# KiCad board PC110.kicad_pcb (continued)
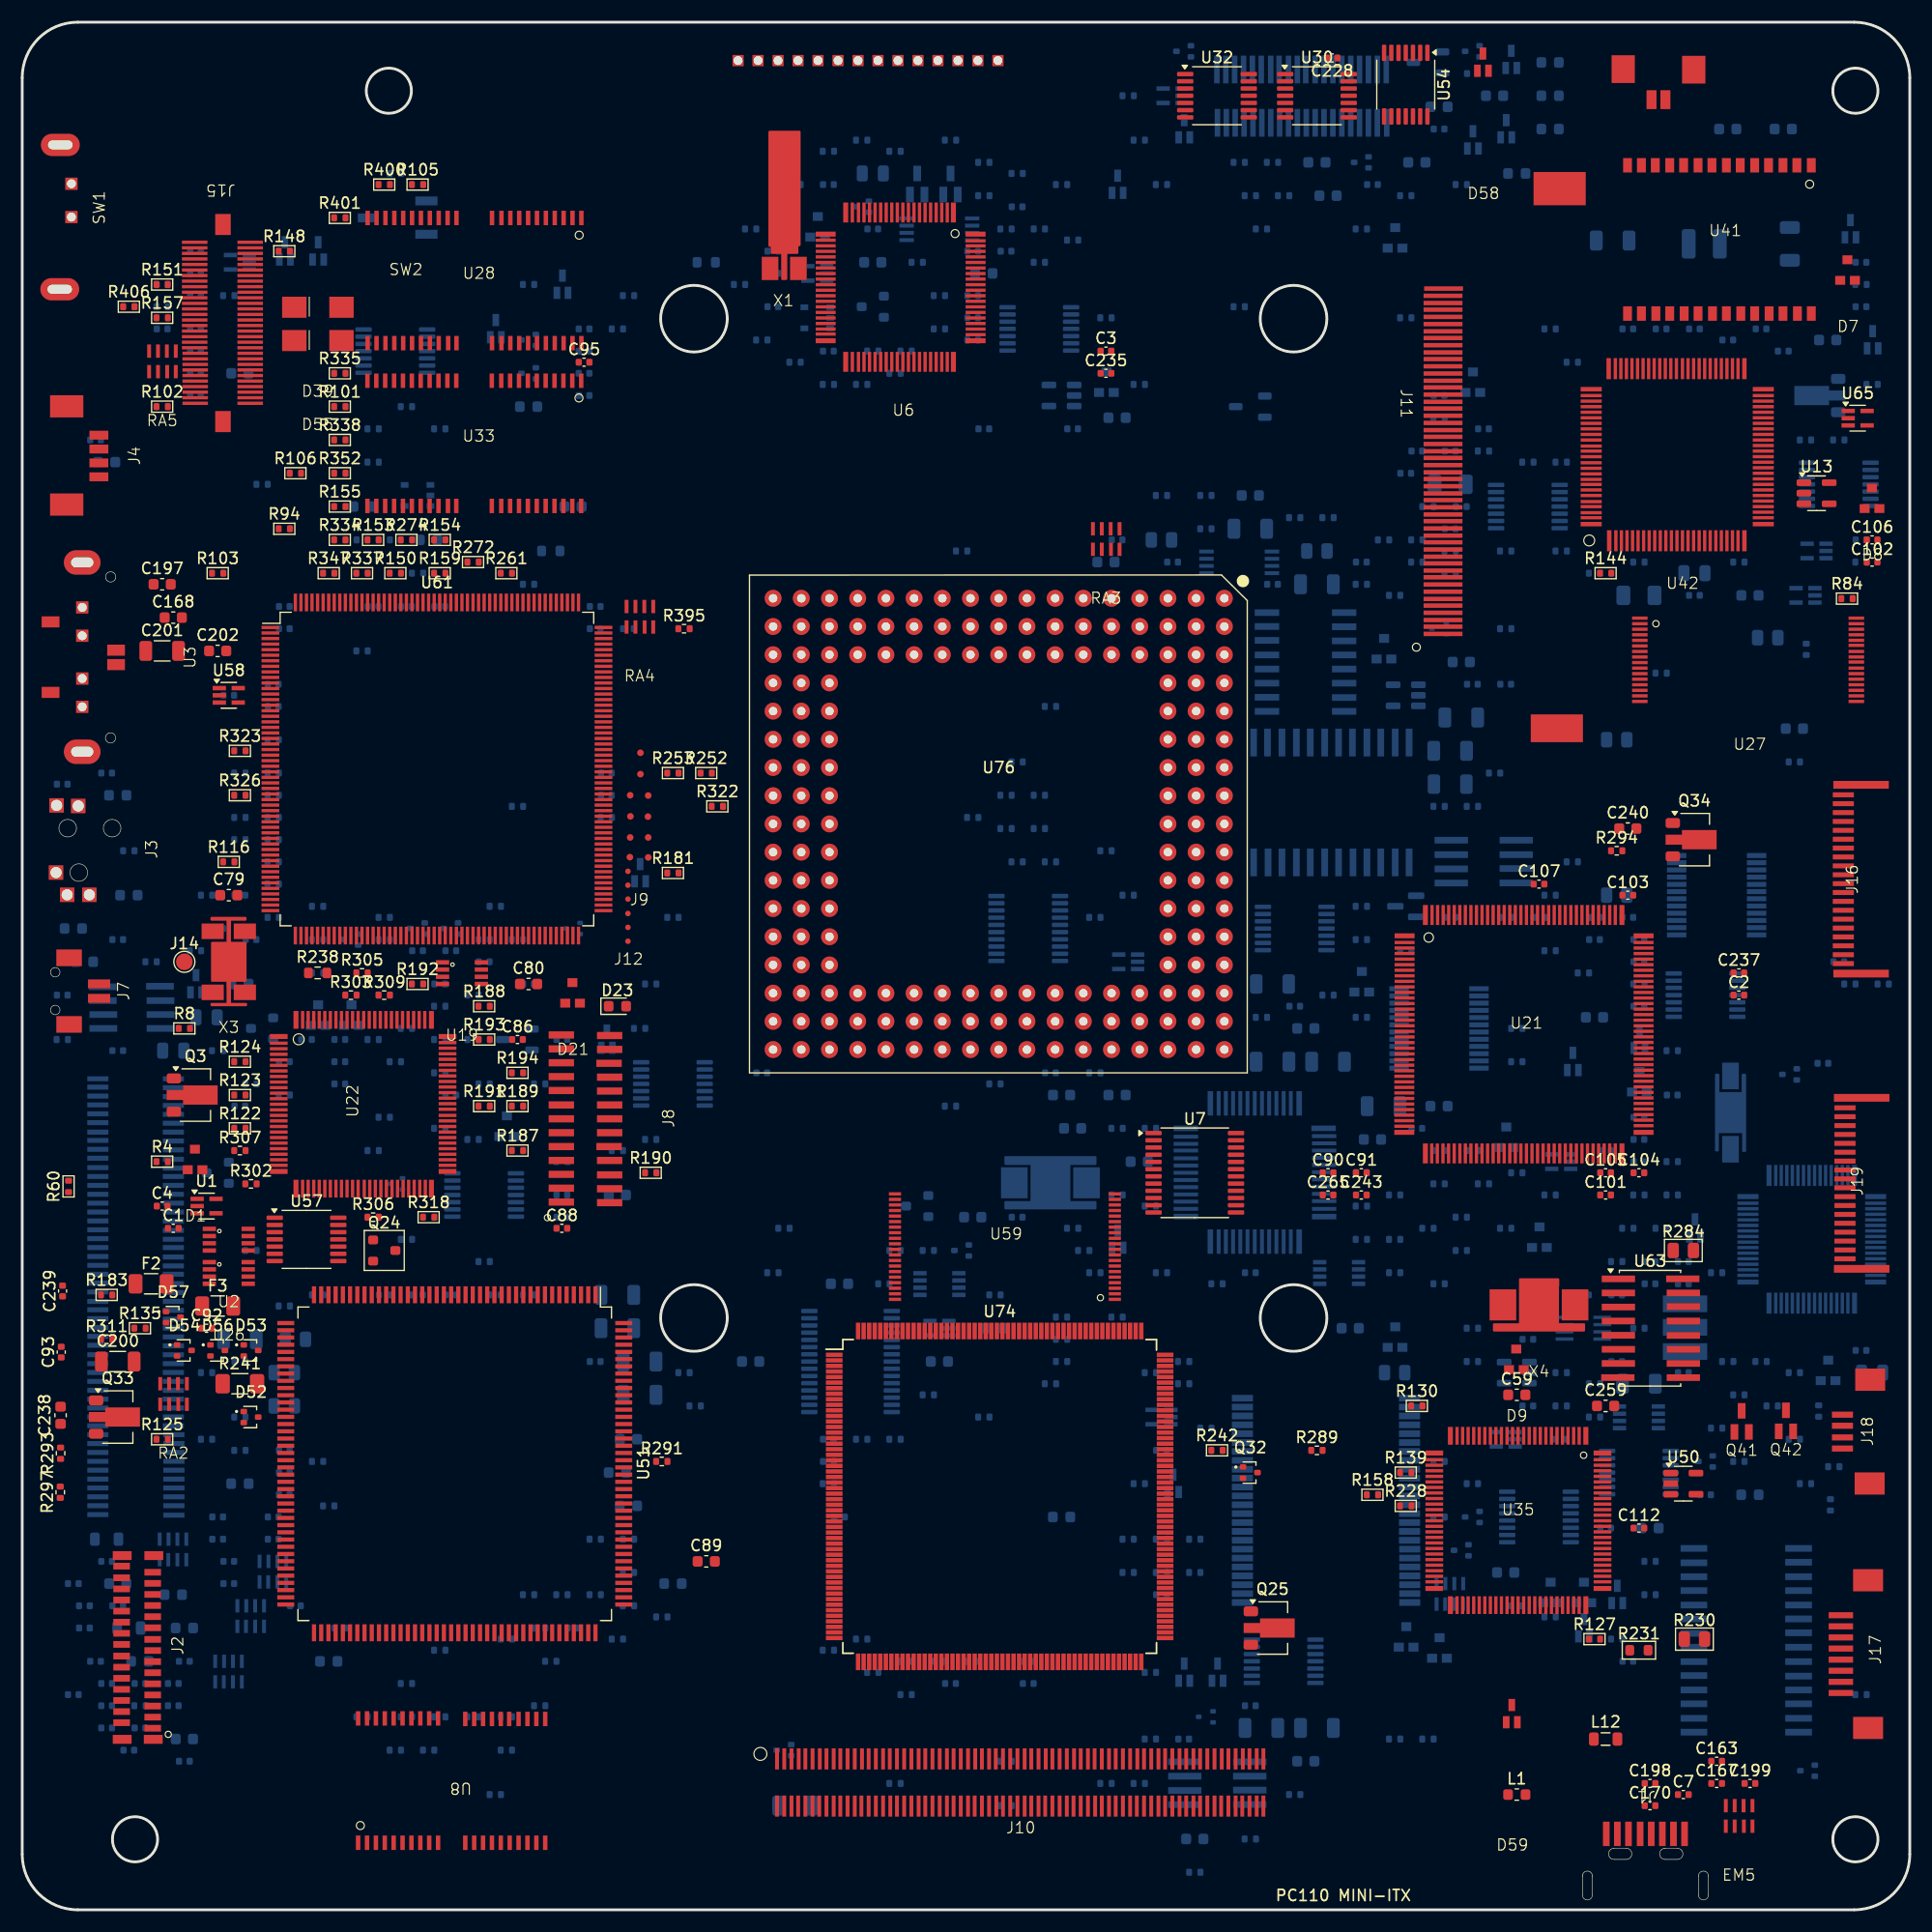
[diagram p0: board, top side]
## Library data of the parts (continued)
C6 C8 C9 C14 C16 C19 C27 C28 C35 C44 C50 C52-C63 C66 C68-C71 C74 C76 C78-C80 C82 C94 C96-C100 C102-C107 C111 C112 C114-C117 C119 C121-C123 C125 C127 C128 C130-C134 C137-C146 C148 C149 C151-C153 C155 C157-C159 C161 C164 C165 C203-C205 C208 C209 C211-C217 C219 C220 C223 C231 C236 C241 C244 C247 C248 C250-C253 C255 C262 C263 C266 C267 C269 C271 C274-C277 C280 = -: ki_fp_filters: C_*
C270 R1-R69 R71-R413 = -: ki_fp_filters: R_*
D6 D7 D23 D36 D38 D39 D41 D44 D47 D48 D50 D51 D55 = -: ki_fp_filters: TO-???* *_Diode_* *SingleDiode* D_*
D52-D54 D56 D57 = -: ki_fp_filters: SOT?323*
F1-F4 = -: ki_fp_filters: *Fuse*
J2 J4 J6 J7 J16-J19 U43 = -: ki_fp_filters: Connector*:*_1x??_*
J3 = -: ki_fp_filters: Jack*
J5 = -: ki_fp_filters: Connector*:*_2x??_*
L1 L4 L12 = -: ki_fp_filters: Choke_* *Coil* Inductor_* L_*
Q2 Q7 Q9-Q14 Q18 Q19 Q26 Q27 Q35 Q38 Q43 Q44 U29 = -: ki_fp_filters: SOT?23*
Q3 = -: ki_fp_filters: TO?92*
Q24 Q31 = -: ki_fp_filters: SOT?23* SC?59*
Q29 = -: ki_fp_filters: SOT* SC*
R70 = -: Description: External clock input for Audio Drive; ki_fp_filters: R_*
RA1-RA5 = -: ki_fp_filters: DIP* SOIC* R*Array*Concave* R*Array*Convex* MSOP*
U1 U14 U15 U23 U52 U58 = -: ki_fp_filters: SOT?23* SOT?553*
U2 U20 U26 U38 U39 = -: ki_fp_filters: SSOP* VSSOP*
U5 U18 U30 U32 U34 U40 U68 = -: ki_fp_filters: DIP*W7.62mm*
U9 U25 U37 U65 = -: ki_fp_filters: SOT* SG-*
U11 U44 = -: ki_fp_filters: SOIC*3.9x4.9mm*P1.27mm* DIP*W7.62mm* TO*99* OnSemi*Micro8* TSSOP*3x3mm*P0.65mm* TSSOP*4.4x3mm*P0.65mm* MSOP*3x3mm*P0.65mm* SSOP*3.9x4.9mm*P0.635mm* LFCSP*2x2mm*P0.5mm* *SIP* SOIC*5.3x6.2mm*P1.27mm*
U12 = -: Datasheet: https://github.com/ahmadexp/Open-Source-PC110/blob/main/datasheets/top/6-LM4861.pdf; Description: Audio Amp; ki_fp_filters: MSOP*3x3mm*P0.65mm* SOIC*3.9x4.9mm*P1.27mm*
U19 = -: ki_fp_filters: VSSOP*
U24 U60 = -: ki_fp_filters: SOT?23* Texas?R-PDSO-G5?DCK* Texas?R-PDSO-N5?DRL* Texas?X2SON*0.8x0.8mm*P0.48mm*
U45 = -: ki_fp_filters: DIP?16*
U47 = -: ki_fp_filters: SOIC*3.9x4.9mm*P1.27mm* DIP*W7.62mm* MSOP*3x3mm*P0.65mm* SSOP*2.95x2.8mm*P0.65mm* TSSOP*3x3mm*P0.65mm* VSSOP*P0.5mm* TO?99*
U48 = -: Description: Digital Rheostat
U49 U72 = -: Datasheet: https://github.com/ahmadexp/PC110-Mainboard-Schematic/blob/main/datasheets/bottom/8-HD151015.pdf; Description: 9 bit Level Shifter/Transceiver With 3 State Outputs
U54 = -: Datasheet: https://github.com/ahmadexp/PC110-Mainboard-Schematic/blob/main/datasheets/bottom/b-v74.pdf; Description: Dual D-Type Positive-Edge-Triggered Flip-Flops With Clear and Preset; ki_fp_filters: DIP*W7.62mm*
U56 = -: ki_fp_filters: DIP?14*
U57 U62 = -: Datasheet: https://github.com/ahmadexp/PC110-Mainboard-Schematic/blob/main/datasheets/bottom/a%26e-V125.pdf; Description: ABT QUADRUPLE BUS BUFFER WITH 3STATE OUTPUTS; ki_fp_filters: DIP*W7.62mm*
U64 = -: Datasheet: https://github.com/ahmadexp/PC110-Mainboard-Schematic/blob/main/datasheets/bottom/g-V126.pdf; Description: Quadruple Bus Buffer Gates With 3-State Outputs; ki_fp_filters: DIP*W7.62mm*
U66 = -: Datasheet: https://github.com/ahmadexp/PC110-Mainboard-Schematic/blob/main/datasheets/bottom/f-V02.pdf; Description: Quadruple 2-Input Positive-NOR Gates; ki_fp_filters: SO14* DIP*W7.62mm*
U67 = -: Description: Keyboard controller
U69 = -: Datasheet: https://github.com/ahmadexp/PC110-Mainboard-Schematic/blob/main/datasheets/bottom/h-7W32.pdf; Description: Dual 2-Input Positive-OR Gate; ki_fp_filters: SSOP* VSSOP*
U70 = -: Datasheet: https://github.com/ahmadexp/PC110-Mainboard-Schematic/blob/main/datasheets/bottom/12-TPS2201.PDF; Description: Dual-Slot PC Card Power-Interface Switches
U71 = -: Datasheet: https://github.com/ahmadexp/PC110-Mainboard-Schematic/blob/main/datasheets/bottom/d-V32.pdf; Description: Quadruple 2-Input Positive-Or Gates; ki_fp_filters: DIP?14*
U73 = -: Datasheet: https://github.com/ahmadexp/PC110-Mainboard-Schematic/blob/main/datasheets/bottom/c-V244.pdf; Description: ABT OCTAL BUFFER/DRIVER; ki_fp_filters: DIP?20*
U75 = -: Description: Trackpad Controller
X2-X6 = -: ki_fp_filters: Crystal*

## Footprints (pads in the part's own frame, mm; a bottom-side part is the same pattern mirrored in y, then rotated)
3D
  rect 0.9x0.8 smd: 1(0.625,-0.725) 2(-0.05,1.125) 3(-0.7,-0.725)
Audio-Jack
  rect 1.3x1.3 hole 1: 1(3.95,2.95) 2(3.9,1) 3(-2.1,3) 4(-4.1,2) 5(-4.1,0)
Bowman
  rect 1.8x0.45 smd: 1(-10.973,8.35) 36(-11,-9.35) 73(10.55,-9.35) 108(10.55,8.35)
  rect 1.8x0.3 smd: 2(-10.973,7.75) 3(-10.973,7.25) 4(-10.973,6.757) 5(-10.973,6.25) 6(-10.973,5.75) 7(-10.973,5.25) 8(-10.973,4.75) 9(-10.973,4.25) 10(-10.973,3.75) 11(-10.973,3.252) 12(-10.973,2.75) 13(-10.973,2.25) 14(-10.973,1.75) 15(-10.973,1.25) 16(-10.973,0.75) 17(-10.973,0.25) 18(-10.973,-0.253) 19(-10.973,-0.761) 20(-10.973,-1.269) 21(-10.973,-1.777) 22(-10.973,-2.285) 23(-11,-2.793) 24(-11,-3.3) 25(-11,-3.8) 26(-11,-4.3) 27(-11,-4.8) 28(-11,-5.3) 29(-11,-5.8) 30(-11,-6.3) 31(-11,-6.8) 32(-11,-7.3) 33(-11,-7.8) 34(-11,-8.3) 35(-11,-8.8) 74(10.55,-8.75) 75(10.55,-8.25) 76(10.55,-7.75) 77(10.55,-7.25) 78(10.55,-6.75) 79(10.55,-6.25) 80(10.55,-5.75) 81(10.55,-5.25) 82(10.55,-4.75) 83(10.55,-4.25) 84(10.55,-3.75) 85(10.55,-3.25) 86(10.55,-2.75) 87(10.55,-2.25) 88(10.55,-1.75) 89(10.55,-1.25) 90(10.55,-0.75) 91(10.55,-0.25) 92(10.55,0.25) 93(10.55,0.75) 94(10.55,1.25) 95(10.55,1.75) 96(10.55,2.25) 97(10.55,2.75) 98(10.55,3.25) 99(10.55,3.75) 100(10.55,4.25) 101(10.55,4.75) 102(10.55,5.25) 103(10.55,5.75) 104(10.55,6.25) 105(10.55,6.75) 106(10.55,7.25) 107(10.55,7.75)
  rect 0.45x1.8 smd: 37(-9.1,-11.25) 72(8.6,-11.25) 109(8.6,10.225) 144(-9.1,10.225)
  rect 0.3x1.8 smd: 38(-8.534,-11.25) 39(-8.026,-11.25) 40(-7.518,-11.25) 41(-7.01,-11.25) 42(-6.502,-11.25) 43(-5.994,-11.25) 44(-5.5,-11.25) 45(-5,-11.25) 46(-4.5,-11.25) 47(-4,-11.25) 48(-3.5,-11.25) 49(-3,-11.25) 50(-2.5,-11.25) 51(-2,-11.25) 52(-1.5,-11.25) 53(-1,-11.25) 54(-0.5,-11.25) 55(0,-11.25) 56(0.5,-11.25) 57(1,-11.25) 58(1.5,-11.25) 59(2,-11.25) 60(2.5,-11.25) 61(3,-11.25) 62(3.5,-11.25) 63(4,-11.25) 64(4.5,-11.25) 65(5,-11.25) 66(5.5,-11.25) 67(6,-11.25) 68(6.5,-11.25) 69(7,-11.25) 70(7.5,-11.25) 71(8,-11.25) 110(8,10.225) 111(7.5,10.225) 112(7,10.225) 113(6.5,10.225) 114(6,10.225) 115(5.5,10.225) 116(5,10.225) 117(4.5,10.225) 118(4,10.225) 119(3.5,10.225) 120(3,10.225) 121(2.5,10.225) 122(2,10.225) 123(1.5,10.225) 124(1,10.225) 125(0.5,10.225) 126(0,10.225) 127(-0.5,10.225) 128(-1,10.225) 129(-1.5,10.225) 130(-2,10.225) 131(-2.5,10.225) 132(-3,10.225) 133(-3.5,10.225) 134(-4,10.225) 135(-4.5,10.225) 136(-5,10.225) 137(-5.5,10.225) 138(-6,10.225) 139(-6.5,10.225) 140(-7,10.225) 141(-7.5,10.225) 142(-8,10.225) 143(-8.5,10.225)
BridgeBatt
  rect 0.9x1.7 smd: 1(0.65,-1.2) 2(-0.6,-1.2)
  rect 2.1x2.5 smd: 3(3.2,1.5) 4(-3.15,1.55)
C_0402_1005Metric
  rrect 0.56x0.62 smd: 1(-0.48,0) 2(0.48,0)
C_0603_1608Metric
  rrect 0.9x0.95 smd: 1(-0.775,0) 2(0.775,0)
C_0805_2012Metric
  rrect 1x1.45 smd: 1(-0.95,0) 2(0.95,0)
C_1206_3216Metric
  rrect 1.15x1.8 smd: 1(-1.475,0) 2(1.475,0)
CF-card
  rect 0.4x3.5 smd: 1(16.65,-5.2) 2(16,-5.2) 3(15.4,-5.2) 4(14.75,-5.2) 5(14.1,-5.2) 6(13.5,-5.2) 7(12.85,-5.2) 8(12.2,-5.2) 9(11.55,-5.2) 10(10.95,-5.2) 11(10.3,-5.2) 12(9.7,-5.2) 13(9.05,-5.2) 14(8.4,-5.2) 15(7.8,-5.2) 16(7.15,-5.2) 17(6.5,-5.2) 18(5.9,-5.2) 19(5.25,-5.2) 20(4.6,-5.2) 21(4,-5.2) 22(3.35,-5.2) 23(2.7,-5.2) 24(2.1,-5.2) 25(1.45,-5.2) 26(0.8,-5.2) 27(0.2,-5.2) 28(-0.45,-5.2) 29(-1.1,-5.2) 30(-1.7,-5.2) 31(-2.35,-5.2) 32(-3,-5.2) 33(-3.65,-5.2) 34(-4.25,-5.2) 35(-4.9,-5.2) 36(-5.55,-5.2) 37(-6.15,-5.2) 38(-6.8,-5.2) 39(-7.45,-5.2) 40(-8.1,-5.2) 41(-8.7,-5.2) 42(-9.35,-5.2) 43(-10,-5.2) 44(-10.6,-5.2) 45(-11.25,-5.2) 46(-11.9,-5.2) 47(-12.55,-5.2) 48(-13.15,-5.2) 49(-13.8,-5.2) 50(-14.45,-5.15)
  rect 3x4.7 smd: 51(-23.45,5.3)
  rect 2.5x4.7 smd: 52(25.15,5.05)
connector-4
  rect 0.8x1.7 smd: 1(-1.9,-1.7) 2(-0.65,-1.7) 3(0.6,-1.7) 4(1.85,-1.7)
  rect 2x3 smd: 5(-4.4,1.2) 6(4.45,1.2)
D_0603_1608Metric
  rrect 0.875x0.95 smd: 1(-0.787,0) 2(0.787,0)
Debug-6
  round 0.5 smd: 1(-0.05,3.15) 2(-0.05,1.9) 3(-0.05,0.65) 4(-0.05,-0.65) 5(-0.05,-1.9) 6(-0.05,-3.15)
Debug-10
  round 0.6 smd: 1(0.075,4.825) 2(0.075,2.9) 3(0.775,0.975) 4(-0.85,1) 5(0.75,-0.925) 6(-0.825,-0.9) 7(0.775,-2.8) 8(-0.85,-2.8) 9(0.775,-4.6) 10(-0.875,-4.575)
Diode
  rect 2.2x1.9 smd: 1(-2.1,-0.05) 2(2.15,-0.05)
Docking Port
  rect 0.45x1.9 smd: 1(-19.2,3.25) 2(-18.35,3.25) 3(-17.55,3.25) 4(-16.75,3.25) 5(-15.95,3.25) 6(-15.15,3.25) 7(-14.35,3.25) 8(-13.55,3.25) 9(-12.75,3.25) 10(-11.95,3.25) 11(-11.15,3.2) 12(-10.35,3.2) 13(-9.55,3.2) 14(-8.75,3.2) 15(-7.95,3.2) 16(-7.15,3.2) 17(-6.35,3.2) 18(-5.55,3.2) 19(-4.75,3.2) 20(-3.95,3.2) 21(-3.15,3.2) 22(-2.35,3.2) 23(-1.55,3.2) 24(-0.75,3.2) 25(0.05,3.2) 26(0.85,3.2) 27(1.65,3.2) 28(2.5,3.2) 29(3.25,3.2) 30(4.05,3.2) 31(4.9,3.2) 32(5.65,3.2) 33(6.45,3.2) 34(7.3,3.2) 35(8.1,3.2) 36(8.9,3.2) 37(9.7,3.2) 38(10.5,3.2) 39(11.3,3.2) 40(12.05,3.2) 41(12.85,3.2) 42(13.7,3.2) 43(14.5,3.2) 44(15.3,3.2) 45(16.1,3.2) 46(16.9,3.2) 47(17.7,3.2) 48(18.5,3.2) 49(19.3,3.2) 50(20.1,3.2) 51(20.1,-3.6) 52(19.35,-3.6) 53(18.55,-3.6) 54(17.75,-3.6) 55(16.95,-3.6) 56(16.15,-3.6) 57(15.3,-3.6) 58(14.55,-3.6) 59(13.75,-3.6) 60(12.95,-3.6) 61(12.1,-3.6) 62(11.3,-3.6) 63(10.5,-3.6) 64(9.7,-3.6) 65(8.9,-3.6) 66(8.1,-3.6) 67(7.3,-3.6) 68(6.5,-3.6) 69(5.7,-3.6) 70(4.9,-3.6) 71(4.1,-3.6) 72(3.3,-3.6) 73(2.5,-3.6) 74(1.7,-3.6) 75(0.9,-3.6) 76(0.05,-3.6) 77(-0.7,-3.6) 78(-1.5,-3.6) 79(-2.3,-3.6) 80(-3.1,-3.6) 81(-3.9,-3.6) 82(-4.75,-3.6) 83(-5.55,-3.6) 84(-6.35,-3.6) 85(-7.15,-3.6) 86(-7.95,-3.6) 87(-8.75,-3.6) 88(-9.55,-3.6) 89(-10.35,-3.6) 90(-11.15,-3.6) 91(-11.95,-3.6) 92(-12.75,-3.6) 93(-13.55,-3.6) 94(-14.35,-3.6) 95(-15.15,-3.6) 96(-15.95,-3.6) 97(-16.75,-3.6) 98(-17.55,-3.6) 99(-18.35,-3.6) 100(-19.15,-3.6)
EIAJ160
  rect 1.53x0.38 smd: 1(-15.22,12.675) 2(-15.22,12.025) 3(-15.22,11.375) 4(-15.22,10.725) 5(-15.22,10.075) 6(-15.22,9.425) 7(-15.22,8.775) 8(-15.22,8.125) 9(-15.22,7.475) 10(-15.22,6.825) 11(-15.22,6.175) 12(-15.22,5.525) 13(-15.22,4.875) 14(-15.22,4.225) 15(-15.22,3.575) 16(-15.22,2.925) 17(-15.22,2.275) 18(-15.22,1.625) 19(-15.22,0.975) 20(-15.22,0.325) 21(-15.22,-0.325) 22(-15.22,-0.975) 23(-15.22,-1.625) 24(-15.22,-2.275) 25(-15.22,-2.925) 26(-15.22,-3.575) 27(-15.22,-4.225) 28(-15.22,-4.875) 29(-15.22,-5.525) 30(-15.22,-6.175) 31(-15.22,-6.825) 32(-15.22,-7.475) 33(-15.22,-8.125) 34(-15.22,-8.775) 35(-15.22,-9.425) 36(-15.22,-10.075) 37(-15.22,-10.725) 38(-15.22,-11.375) 39(-15.22,-12.025) 40(-15.22,-12.675) 81(15.22,-12.675) 82(15.22,-12.025) 83(15.22,-11.375) 84(15.22,-10.725) 85(15.22,-10.075) 86(15.22,-9.425) 87(15.22,-8.775) 88(15.22,-8.125) 89(15.22,-7.475) 90(15.22,-6.825) 91(15.22,-6.175) 92(15.22,-5.525) 93(15.22,-4.875) 94(15.22,-4.225) 95(15.22,-3.575) 96(15.22,-2.925) 97(15.22,-2.275) 98(15.22,-1.625) 99(15.22,-0.975) 100(15.22,-0.325) 101(15.22,0.325) 102(15.22,0.975) 103(15.22,1.625) 104(15.22,2.275) 105(15.22,2.925) 106(15.22,3.575) 107(15.22,4.225) 108(15.22,4.875) 109(15.22,5.525) 110(15.22,6.175) 111(15.22,6.825) 112(15.22,7.475) 113(15.22,8.125) 114(15.22,8.775) 115(15.22,9.425) 116(15.22,10.075) 117(15.22,10.725) 118(15.22,11.375) 119(15.22,12.025) 120(15.22,12.675)
  rect 0.38x1.53 smd: 41(-12.675,-15.22) 42(-12.025,-15.22) 43(-11.375,-15.22) 44(-10.725,-15.22) 45(-10.075,-15.22) 46(-9.425,-15.22) 47(-8.775,-15.22) 48(-8.125,-15.22) 49(-7.475,-15.22) 50(-6.825,-15.22) 51(-6.175,-15.22) 52(-5.525,-15.22) 53(-4.875,-15.22) 54(-4.225,-15.22) 55(-3.575,-15.22) 56(-2.925,-15.22) 57(-2.275,-15.22) 58(-1.625,-15.22) 59(-0.975,-15.22) 60(-0.325,-15.22) 61(0.325,-15.22) 62(0.975,-15.22) 63(1.625,-15.22) 64(2.275,-15.22) 65(2.925,-15.22) 66(3.575,-15.22) 67(4.225,-15.22) 68(4.875,-15.22) 69(5.525,-15.22) 70(6.175,-15.22) 71(6.825,-15.22) 72(7.475,-15.22) 73(8.125,-15.22) 74(8.775,-15.22) 75(9.425,-15.22) 76(10.075,-15.22) 77(10.725,-15.22) 78(11.375,-15.22) 79(12.025,-15.22) 80(12.675,-15.22) 121(12.675,15.22) 122(12.025,15.22) 123(11.375,15.22) 124(10.725,15.22) 125(10.075,15.22) 126(9.425,15.22) 127(8.775,15.22) 128(8.125,15.22) 129(7.475,15.22) 130(6.825,15.22) 131(6.175,15.22) 132(5.525,15.22) 133(4.875,15.22) 134(4.225,15.22) 135(3.575,15.22) 136(2.925,15.22) 137(2.275,15.22) 138(1.625,15.22) 139(0.975,15.22) 140(0.325,15.22) 141(-0.325,15.22) 142(-0.975,15.22) 143(-1.625,15.22) 144(-2.275,15.22) 145(-2.925,15.22) 146(-3.575,15.22) 147(-4.225,15.22) 148(-4.875,15.22) 149(-5.525,15.22) 150(-6.175,15.22) 151(-6.825,15.22) 152(-7.475,15.22) 153(-8.125,15.22) 154(-8.775,15.22) 155(-9.425,15.22) 156(-10.075,15.22) 157(-10.725,15.22) 158(-11.375,15.22) 159(-12.025,15.22) 160(-12.675,15.22)
FDC
  rect 0.45x1.6 smd: 1(5.8,7.15) 25(-6.35,7.15) 51(-6.35,-8.05) 75(5.8,-8.05)
  rect 0.3x1.6 smd: 2(5.2,7.15) 3(4.7,7.15) 4(4.2,7.15) 5(3.7,7.15) 6(3.2,7.15) 7(2.7,7.15) 8(2.2,7.15) 9(1.7,7.15) 10(1.2,7.15) 11(0.7,7.15) 12(0.2,7.15) 13(-0.3,7.15) 14(-0.8,7.15) 15(-1.3,7.15) 16(-1.8,7.15) 17(-2.3,7.15) 18(-2.8,7.15) 19(-3.3,7.15) 20(-3.8,7.15) 21(-4.3,7.15) 22(-4.8,7.15) 23(-5.3,7.15) 24(-5.8,7.15) 52(-5.8,-8.05) 53(-5.3,-8.05) 54(-4.8,-8.05) 55(-4.3,-8.05) 56(-3.8,-8.05) 57(-3.3,-8.05) 58(-2.8,-8.05) 59(-2.3,-8.05) 60(-1.8,-8.05) 61(-1.3,-8.05) 62(-0.75,-8.05) 63(-0.25,-8.05) 64(0.25,-8.05) 65(0.75,-8.05) 66(1.25,-8.05) 67(1.75,-8.05) 68(2.25,-8.05) 69(2.75,-8.05) 70(3.25,-8.05) 71(3.75,-8.05) 72(4.25,-8.05) 73(4.75,-8.05) 74(5.25,-8.05)
  rect 1.6x0.45 smd: 26(-7.9,5.6) 50(-7.9,-6.6) 76(7.3,-6.6) 100(7.3,5.6)
  rect 1.6x0.3 smd: 27(-7.9,5) 28(-7.9,4.5) 29(-7.9,4) 30(-7.9,3.5) 31(-7.9,3) 32(-7.9,2.5) 33(-7.9,2) 34(-7.9,1.5) 35(-7.9,1) 36(-7.9,0.5) 37(-7.9,0) 38(-7.9,-0.55) 39(-7.9,-1.05) 40(-7.9,-1.55) 41(-7.9,-2.05) 42(-7.9,-2.55) 43(-7.9,-3.05) 44(-7.9,-3.55) 45(-7.9,-4.05) 46(-7.9,-4.55) 47(-7.9,-5.05) 48(-7.9,-5.55) 49(-7.9,-6.05) 77(7.3,-6) 78(7.3,-5.5) 79(7.3,-5) 80(7.3,-4.5) 81(7.3,-4) 82(7.3,-3.5) 83(7.3,-3) 84(7.3,-2.5) 85(7.3,-2) 86(7.3,-1.5) 87(7.3,-1) 88(7.3,-0.5) 89(7.3,0) 90(7.3,0.5) 91(7.3,1) 92(7.3,1.5) 93(7.3,2) 94(7.3,2.5) 95(7.3,3) 96(7.3,3.5) 97(7.3,4) 98(7.3,4.5) 99(7.3,5)
Flash-32
  rect 1.4x0.3 smd: 1(-10,4.15) 2(-10,3.65) 3(-10,3.15) 4(-10,2.65) 5(-10,2.15) 6(-10,1.65) 7(-10,1.15) 8(-10,0.65) 9(-10,0.15) 10(-10,-0.35) 11(-10,-0.85) 12(-10,-1.35) 13(-10,-1.85) 14(-10,-2.35) 15(-10,-2.85) 16(-10,-3.35) 17(9.5,-3.35) 18(9.5,-2.85) 19(9.5,-2.35) 20(9.5,-1.85) 21(9.5,-1.35) 22(9.5,-0.85) 23(9.5,-0.35) 24(9.5,0.2) 25(9.5,0.65) 26(9.5,1.15) 27(9.5,1.7) 28(9.5,2.15) 29(9.5,2.65) 30(9.5,3.15) 31(9.5,3.65) 32(9.5,4.15)
Flash-40
  rect 1.1x0.3 smd: 1(9.8,-5.4) 2(9.8,-4.9) 3(9.8,-4.4) 4(9.8,-3.9) 5(9.8,-3.4) 6(9.8,-2.9) 7(9.8,-2.4) 8(9.8,-1.9) 9(9.8,-1.4) 10(9.8,-0.9) 11(9.8,-0.4) 12(9.8,0.1) 13(9.8,0.6) 14(9.8,1.1) 15(9.8,1.6) 16(9.8,2.1) 17(9.8,2.6) 18(9.8,3.1) 19(9.8,3.6) 20(9.8,4.1) 21(-10,4.1) 22(-10,3.6) 23(-10,3.1) 24(-10,2.6) 25(-10,2.1) 26(-10,1.6) 27(-10,1.1) 28(-10,0.6) 29(-10,0.1) 30(-10,-0.4) 31(-10,-0.9) 32(-10,-1.4) 33(-10,-1.9) 34(-10,-2.4) 35(-10,-2.9) 36(-10,-3.4) 37(-10,-3.9) 38(-10,-4.4) 39(-10,-4.9) 40(-10,-5.4)
Flat-4
  rect 0.55x1.9 smd: 1(-1.55,2.75) 2(-0.55,2.75) 3(0.5,2.75) 4(1.5,2.75)
  rect 2x2.7 smd: 5(4.65,0.25) 6(-4.7,0.3)
Flat-8
  rect 0.55x2.2 smd: 1(-3.6,1.7) 2(-2.6,1.7) 3(-1.6,1.7) 4(-0.6,1.7) 5(0.4,1.7) 6(1.4,1.7) 7(2.4,1.7) 8(3.4,1.7)
  rect 2x2.7 smd: 9(6.55,-0.75) 10(-6.75,-0.75)
Flat-18
  rect 0.45x1.9 smd: 1(-7,1.6) 2(-6.2,1.6) 3(-5.4,1.6) 4(-4.6,1.6) 5(-3.8,1.6) 6(-3,1.6) 7(-2.2,1.6) 8(-1.4,1.6) 9(-0.6,1.6) 10(0.2,1.6) 11(1,1.6) 12(1.8,1.6) 13(2.6,1.6) 14(3.4,1.6) 15(4.2,1.6) 16(5,1.6) 17(5.8,1.6) 18(6.6,1.6)
  rect 0.7x5 smd: 19(7.5,0.1) 20(-7.9,0.1)
Flat-20
  rect 0.45x1.9 smd: 1(-7.6,1.3) 2(-6.8,1.3) 3(-6,1.3) 4(-5.2,1.3) 5(-4.4,1.3) 6(-3.6,1.3) 7(-2.8,1.3) 8(-2,1.3) 9(-1.2,1.3) 10(-0.4,1.3) 11(0.4,1.3) 12(1.2,1.3) 13(2,1.3) 14(2.8,1.3) 15(3.6,1.3) 16(4.4,1.3) 17(5.2,1.3) 18(6,1.3) 19(6.8,1.3) 20(7.6,1.3)
  rect 0.7x5 smd: 21(8.5,-0.3) 22(-8.5,-0.3)
Fuse_1206_3216Metric
  rrect 1.25x1.75 smd: 1(-1.4,0) 2(1.4,0)
GRAMchip
  rect 0.4x1.3 smd: 1(8.4,5.45) 2(7.6,5.45) 3(6.8,5.45) 4(6,5.45) 5(5.2,5.45) 6(4.4,5.45) 7(3.6,5.45) 8(2.8,5.45) 9(2,5.45) 10(1.2,5.45) 11(-1.25,5.45) 12(-2.05,5.45) 13(-2.85,5.45) 14(-3.65,5.45) 15(-4.45,5.45) 16(-5.25,5.45) 17(-6.05,5.45) 18(-6.85,5.45) 19(-7.65,5.45) 20(-8.45,5.45) 21(-8.45,-5.7) 22(-7.65,-5.7) 23(-6.85,-5.7) 24(-6.05,-5.7) 25(-5.2,-5.7) 26(-4.45,-5.7) 27(-3.65,-5.7) 28(-2.85,-5.7) 29(-2.05,-5.7) 30(-1.25,-5.7) 31(1.2,-5.75) 32(2,-5.75) 33(2.8,-5.75) 34(3.6,-5.75) 35(4.4,-5.75) 36(5.2,-5.75) 37(6,-5.75) 38(6.8,-5.75) 39(7.6,-5.75) 40(8.4,-5.75)
IRDA
  rect 1x1.6 smd: 1(0.65,-1.5) 2(-0.65,-1.5) 3(3.2,4.4) 4(-3.15,4.4)
  rect 1.1x1.1 hole 0.8: 5(4.5,1.55) 6(1.95,1.55) 7(-1.9,1.55) 8(-4.45,1.55)
  oval 2.2x3.3 hole 0.9x2: 9(8.55,1.55) 10(-8.5,1.55)
L_0603_1608Metric
  rrect 0.875x0.95 smd: 1(-0.787,0) 2(0.787,0)
L_0805_2012Metric
  rrect 0.875x1.2 smd: 1(-1.062,0) 2(1.062,0)
L_1210_3225Metric
  rrect 1.25x2.65 smd: 1(-1.4,0) 2(1.4,0)
LCD
  rect 1x1 hole 0.8: 1(-11.9,0) 2(-10.1,0) 3(-8.3,0) 4(-6.5,0) 5(-4.7,0) 6(-2.9,0) 7(-1.1,0) 8(0.7,0) 9(2.5,0) 10(4.3,0) 11(6.1,0) 12(7.9,0) 13(9.7,0) 14(11.5,0)
LCD_connector
  rect 0.6x1.5 smd: 1(-7.4,-1.25) 2(-6.9,1.55) 3(-6.4,-1.25) 4(-5.9,1.55) 5(-5.4,-1.25) 6(-4.9,1.55) 7(-4.4,-1.25) 8(-3.9,1.55) 9(-3.4,-1.25) 10(-2.9,1.55) 11(-2.4,-1.25) 12(-1.9,1.55) 13(-1.4,-1.25) 14(-0.9,1.55) 15(-0.4,-1.25) 16(0.15,1.55) 17(0.6,-1.25) 18(1.15,1.55) 19(1.65,-1.25) 20(2.15,1.55) 21(2.65,-1.25) 22(3.15,1.55) 23(3.65,-1.25) 24(4.15,1.55) 25(4.65,-1.25) 26(5.15,1.55) 27(5.65,-1.25) 28(6.15,1.55) 29(6.65,-1.25) 30(7.2,1.55)
  rect 0.8x1.7 smd: 31(8.15,-1.35) 32(8.15,1.5) 33(-8.4,1.5) 34(-8.4,-1.3)
LidSwitch
  rect 1.6x0.8 smd: 1(2.575,0)
  rect 2x0.8 smd: 2(-2.8,1.525) 3(-2.8,-1.475)
LQFP208
  rect 1.5x0.4 smd: 1(-14.9,12.75) 2(-14.9,12.25) 3(-14.9,11.75) 4(-14.9,11.25) 5(-14.9,10.75) 6(-14.9,10.25) 7(-14.9,9.75) 8(-14.9,9.25) 9(-14.9,8.75) 10(-14.9,8.25) 11(-14.9,7.75) 12(-14.9,7.25) 13(-14.9,6.75) 14(-14.9,6.25) 15(-14.9,5.75) 16(-14.9,5.25) 17(-14.9,4.75) 18(-14.9,4.25) 19(-14.9,3.75) 20(-14.9,3.25) 21(-14.9,2.75) 22(-14.9,2.25) 23(-14.9,1.75) 24(-14.9,1.25) 25(-14.9,0.75) 26(-14.9,0.25) 27(-14.9,-0.25) 28(-14.9,-0.75) 29(-14.9,-1.25) 30(-14.9,-1.75) 31(-14.9,-2.25) 32(-14.9,-2.75) 33(-14.9,-3.25) 34(-14.9,-3.75) 35(-14.9,-4.25) 36(-14.9,-4.75) 37(-14.9,-5.25) 38(-14.9,-5.75) 39(-14.9,-6.25) 40(-14.9,-6.75) 41(-14.9,-7.25) 42(-14.9,-7.75) 43(-14.9,-8.25) 44(-14.9,-8.75) 45(-14.9,-9.25) 46(-14.9,-9.75) 47(-14.9,-10.25) 48(-14.9,-10.75) 49(-14.9,-11.25) 50(-14.9,-11.75) 51(-14.9,-12.25) 52(-14.9,-12.75) 105(14.9,-12.75) 106(14.9,-12.25) 107(14.9,-11.75) 108(14.9,-11.25) 109(14.9,-10.75) 110(14.9,-10.25) 111(14.9,-9.75) 112(14.9,-9.25) 113(14.9,-8.75) 114(14.9,-8.25) 115(14.9,-7.75) 116(14.9,-7.25) 117(14.9,-6.75) 118(14.9,-6.25) 119(14.9,-5.75) 120(14.9,-5.25) 121(14.9,-4.75) 122(14.9,-4.25) 123(14.9,-3.75) 124(14.9,-3.25) 125(14.9,-2.75) 126(14.9,-2.25) 127(14.9,-1.75) 128(14.9,-1.25) 129(14.9,-0.75) 130(14.9,-0.25) 131(14.9,0.25) 132(14.9,0.75) 133(14.9,1.25) 134(14.9,1.75) 135(14.9,2.25) 136(14.9,2.75) 137(14.9,3.25) 138(14.9,3.75) 139(14.9,4.25) 140(14.9,4.75) 141(14.9,5.25) 142(14.9,5.75) 143(14.9,6.25) 144(14.9,6.75) 145(14.9,7.25) 146(14.9,7.75) 147(14.9,8.25) 148(14.9,8.75) 149(14.9,9.25) 150(14.9,9.75) 151(14.9,10.25) 152(14.9,10.75) 153(14.9,11.25) 154(14.9,11.75) 155(14.9,12.25) 156(14.9,12.75)
  rect 0.4x1.5 smd: 53(-12.75,-14.9) 54(-12.25,-14.9) 55(-11.75,-14.9) 56(-11.25,-14.9) 57(-10.75,-14.9) 58(-10.25,-14.9) 59(-9.75,-14.9) 60(-9.25,-14.9) 61(-8.75,-14.9) 62(-8.25,-14.9) 63(-7.75,-14.9) 64(-7.25,-14.9) 65(-6.75,-14.9) 66(-6.25,-14.9) 67(-5.75,-14.9) 68(-5.25,-14.9) 69(-4.75,-14.9) 70(-4.25,-14.9) 71(-3.75,-14.9) 72(-3.25,-14.9) 73(-2.75,-14.9) 74(-2.25,-14.9) 75(-1.75,-14.9) 76(-1.25,-14.9) 77(-0.75,-14.9) 78(-0.25,-14.9) 79(0.25,-14.9) 80(0.75,-14.9) 81(1.25,-14.9) 82(1.75,-14.9) 83(2.25,-14.9) 84(2.75,-14.9) 85(3.25,-14.9) 86(3.75,-14.9) 87(4.25,-14.9) 88(4.75,-14.9) 89(5.25,-14.9) 90(5.75,-14.9) 91(6.25,-14.9) 92(6.75,-14.9) 93(7.25,-14.9) 94(7.75,-14.9) 95(8.25,-14.9) 96(8.75,-14.9) 97(9.25,-14.9) 98(9.75,-14.9) 99(10.25,-14.9) 100(10.75,-14.9) 101(11.25,-14.9) 102(11.75,-14.9) 103(12.25,-14.9) 104(12.75,-14.9) 157(12.75,14.9) 158(12.25,14.9) 159(11.75,14.9) 160(11.25,14.9) 161(10.75,14.9) 162(10.25,14.9) 163(9.75,14.9) 164(9.25,14.9) 165(8.75,14.9) 166(8.25,14.9) 167(7.75,14.9) 168(7.25,14.9) 169(6.75,14.9) 170(6.25,14.9) 171(5.75,14.9) 172(5.25,14.9) 173(4.75,14.9) 174(4.25,14.9) 175(3.75,14.9) 176(3.25,14.9) 177(2.75,14.9) 178(2.25,14.9) 179(1.75,14.9) 180(1.25,14.9) 181(0.75,14.9) 182(0.25,14.9) 183(-0.25,14.9) 184(-0.75,14.9) 185(-1.25,14.9) 186(-1.75,14.9) 187(-2.25,14.9) 188(-2.75,14.9) 189(-3.25,14.9) 190(-3.75,14.9) 191(-4.25,14.9) 192(-4.75,14.9) 193(-5.25,14.9) 194(-5.75,14.9) 195(-6.25,14.9) 196(-6.75,14.9) 197(-7.25,14.9) 198(-7.75,14.9) 199(-8.25,14.9) 200(-8.75,14.9) 201(-9.25,14.9) 202(-9.75,14.9) 203(-10.25,14.9) 204(-10.75,14.9) 205(-11.25,14.9) 206(-11.75,14.9) 207(-12.25,14.9) 208(-12.75,14.9)
Modem-Connector
  rect 0.65x2.286 smd: 1(-7.55,2.15) 2(-6.3,2.15) 3(-5.05,2.15) 4(-3.8,2.15) 5(-2.55,2.15) 6(-1.3,2.15) 7(-0.05,2.15) 8(1.2,2.15) 9(2.5,2.15) 10(3.75,2.15) 11(5,2.15) 12(6.25,2.15) 13(7.5,2.15) 14(-7.6,-2.2) 15(-6.35,-2.2) 16(-5.1,-2.2) 17(-3.8,-2.2) 18(-2.55,-2.15) 19(-1.3,-2.2) 20(-0.05,-2.2) 21(1.2,-2.2) 22(2.45,-2.2) 23(3.7,-2.2) 24(4.95,-2.15) 25(6.2,-2.2) 26(7.45,-2.2)
PCMCIA
  rect 0.35x1.9 smd: 1(-21.95,2) 2(-21.3,2) 3(-20.65,2) 4(-20,2) 5(-19.4,2) 6(-18.75,2) 7(-18.1,2) 8(-17.5,2) 9(-16.85,2) 10(-16.25,2) 11(-15.6,2) 12(-14.95,2) 13(-14.3,2) 14(-13.7,2) 15(-13.05,2) 16(-12.4,2) 17(-11.8,2) 18(-11.15,2) 19(-10.5,2) 20(-9.85,2) 21(-9.2,2) 22(-8.6,2) 23(-7.95,2) 24(-7.3,2) 25(-6.65,2) 26(-6.05,2) 27(-5.4,2) 28(-4.75,2) 29(-4.1,2) 30(-3.5,2) 31(-2.85,2) 32(-2.25,2) 33(-1.6,2) 34(-0.95,2) 35(-0.3,2) 36(0.35,2) 37(0.95,2) 38(1.6,2) 39(2.25,2) 40(2.85,2) 41(3.5,2) 42(4.15,2) 43(4.8,2) 44(5.4,2) 45(6.05,2) 46(6.65,2) 47(7.3,2) 48(7.95,2) 49(8.55,2) 50(9.2,2) 51(9.85,2) 52(10.5,2) 53(11.1,2) 54(11.75,2) 55(12.4,2) 56(13,2) 57(13.65,2) 58(14.3,2) 59(14.9,2) 60(15.55,2) 61(16.15,2) 62(16.8,2) 63(17.45,2) 64(18.1,2) 65(18.7,2) 66(19.35,2) 67(20,2) 68(20.6,2) 69(21.25,2) 70(21.85,2) 71(-21.95,-2.25) 72(-21.3,-2.25) 73(-20.65,-2.25) 74(-20.05,-2.25) 75(-19.4,-2.25) 76(-18.75,-2.25) 77(-18.15,-2.25) 78(-17.5,-2.25) 79(-16.85,-2.25) 80(-16.25,-2.25) 81(-15.6,-2.25) 82(-14.95,-2.25) 83(-14.35,-2.25) 84(-13.7,-2.25) 85(-13.05,-2.25) 86(-12.4,-2.25) 87(-11.75,-2.25) 88(-11.15,-2.25) 89(-10.5,-2.25) 90(-9.85,-2.25) 91(-9.2,-2.25) 92(-8.6,-2.25) 93(-7.95,-2.25) 94(-7.3,-2.25) 95(-6.65,-2.25) 96(-6.05,-2.25) 97(-5.4,-2.25) 98(-4.75,-2.25) 99(-4.15,-2.25) 100(-3.5,-2.25) 101(-2.85,-2.25) 102(-2.2,-2.25) 103(-1.6,-2.25) 104(-0.95,-2.25) 105(-0.3,-2.25) 106(0.35,-2.25) 107(0.95,-2.25) 108(1.6,-2.25) 109(2.2,-2.25) 110(2.85,-2.25) 111(3.5,-2.25) 112(4.15,-2.25) 113(4.75,-2.25) 114(5.4,-2.25) 115(6.05,-2.25) 116(6.7,-2.25) 117(7.3,-2.25) 118(7.95,-2.25) 119(8.55,-2.25) 120(9.2,-2.25) 121(9.85,-2.25) 122(10.45,-2.25) 123(11.1,-2.25) 124(11.75,-2.25) 125(12.4,-2.25) 126(13,-2.25) 127(13.65,-2.25) 128(14.3,-2.25) 129(14.9,-2.25) 130(15.55,-2.25) 131(16.15,-2.25) 132(16.8,-2.25) 133(17.45,-2.25) 134(18.05,-2.25) 135(18.7,-2.25) 136(19.35,-2.25) 137(19.95,-2.25) 138(20.6,-2.25) 139(21.25,-2.25) 140(21.85,-2.25)
PGA168
  round 1.524 hole 0.762: A1(43.18,-2.54) A2(43.18,-5.08) A3(43.18,-7.62) A4(43.18,-10.16) A5(43.18,-12.7) A6(43.18,-15.24) A7(43.18,-17.78) A8(43.18,-20.32) A9(43.18,-22.86) A10(43.18,-25.4) A11(43.18,-27.94) A12(43.18,-30.48) A13(43.18,-33.02) A14(43.18,-35.56) A15(43.18,-38.1) A16(43.18,-40.64) A17(43.18,-43.18) B1(40.64,-2.54) B2(40.64,-5.08) B3(40.64,-7.62) B4(40.64,-10.16) B5(40.64,-12.7) B6(40.64,-15.24) B7(40.64,-17.78) B8(40.64,-20.32) B9(40.64,-22.86) B10(40.64,-25.4) B11(40.64,-27.94) B12(40.64,-30.48) B13(40.64,-33.02) B14(40.64,-35.56) B15(40.64,-38.1) B16(40.64,-40.64) B17(40.64,-43.18) C1(38.1,-2.54) C2(38.1,-5.08) C3(38.1,-7.62) C4(38.1,-10.16) C5(38.1,-12.7) C6(38.1,-15.24) C7(38.1,-17.78) C8(38.1,-20.32) C9(38.1,-22.86) C10(38.1,-25.4) C11(38.1,-27.94) C12(38.1,-30.48) C13(38.1,-33.02) C14(38.1,-35.56) C15(38.1,-38.1) C16(38.1,-40.64) C17(38.1,-43.18) D1(35.56,-2.54) D2(35.56,-5.08) D3(35.56,-7.62) D15(35.56,-38.1) D16(35.56,-40.64) D17(35.56,-43.18) E1(33.02,-2.54) E2(33.02,-5.08) E3(33.02,-7.62) E15(33.02,-38.1) E16(33.02,-40.64) E17(33.02,-43.18) F1(30.48,-2.54) F2(30.48,-5.08) F3(30.48,-7.62) F15(30.48,-38.1) F16(30.48,-40.64) F17(30.48,-43.18) G1(27.94,-2.54) G2(27.94,-5.08) G3(27.94,-7.62) G15(27.94,-38.1) G16(27.94,-40.64) G17(27.94,-43.18) H1(25.4,-2.54) H2(25.4,-5.08) H3(25.4,-7.62) H15(25.4,-38.1) H16(25.4,-40.64) H17(25.4,-43.18) J1(22.86,-2.54) J2(22.86,-5.08) J3(22.86,-7.62) J15(22.86,-38.1) J16(22.86,-40.64) J17(22.86,-43.18) K1(20.32,-2.54) K2(20.32,-5.08) K3(20.32,-7.62) K15(20.32,-38.1) K16(20.32,-40.64) K17(20.32,-43.18) L1(17.78,-2.54) L2(17.78,-5.08) L3(17.78,-7.62) L15(17.78,-38.1) L16(17.78,-40.64) L17(17.78,-43.18) M1(15.24,-2.54) M2(15.24,-5.08) M3(15.24,-7.62) M15(15.24,-38.1) M16(15.24,-40.64) M17(15.24,-43.18) N1(12.7,-2.54) N2(12.7,-5.08) N3(12.7,-7.62) N15(12.7,-38.1) N16(12.7,-40.64) N17(12.7,-43.18) P1(10.16,-2.54) P2(10.16,-5.08) P3(10.16,-7.62) P15(10.16,-38.1) P16(10.16,-40.64) P17(10.16,-43.18) Q1(7.62,-2.54) Q2(7.62,-5.08) Q3(7.62,-7.62) Q4(7.62,-10.16) Q5(7.62,-12.7) Q6(7.62,-15.24) Q7(7.62,-17.78) Q8(7.62,-20.32) Q9(7.62,-22.86) Q10(7.62,-25.4) Q11(7.62,-27.94) Q12(7.62,-30.48) Q13(7.62,-33.02) Q14(7.62,-35.56) Q15(7.62,-38.1) Q16(7.62,-40.64) Q17(7.62,-43.18) R1(5.08,-2.54) R2(5.08,-5.08) R3(5.08,-7.62) R4(5.08,-10.16) R5(5.08,-12.7) R6(5.08,-15.24) R7(5.08,-17.78) R8(5.08,-20.32) R9(5.08,-22.86) R10(5.08,-25.4) R11(5.08,-27.94) R12(5.08,-30.48) R13(5.08,-33.02) R14(5.08,-35.56) R15(5.08,-38.1) R16(5.08,-40.64) R17(5.08,-43.18) S1(2.54,-2.54) S2(2.54,-5.08) S3(2.54,-7.62) S4(2.54,-10.16) S5(2.54,-12.7) S6(2.54,-15.24) S7(2.54,-17.78) S8(2.54,-20.32) S9(2.54,-22.86) S10(2.54,-25.4) S11(2.54,-27.94) S12(2.54,-30.48) S13(2.54,-33.02) S14(2.54,-35.56) S15(2.54,-38.1) S16(2.54,-40.64) S17(2.54,-43.18)